# Altium PCB PCB22.PcbDoc (part 14 of 16)
Units mm, origin at the board's own origin, x right, y up, seen from the top; angles counter-clockwise.
Board outline 233.7 x 110.51 mm, 4 copper layers (Top Layer, Layer 1, Layer 2, Bottom Layer), stack 0.603 mm thick; 1249 components, 1355 nets, 4549 pads, 1315 vias.
Unrouted connection lines stored in the file: 1569.
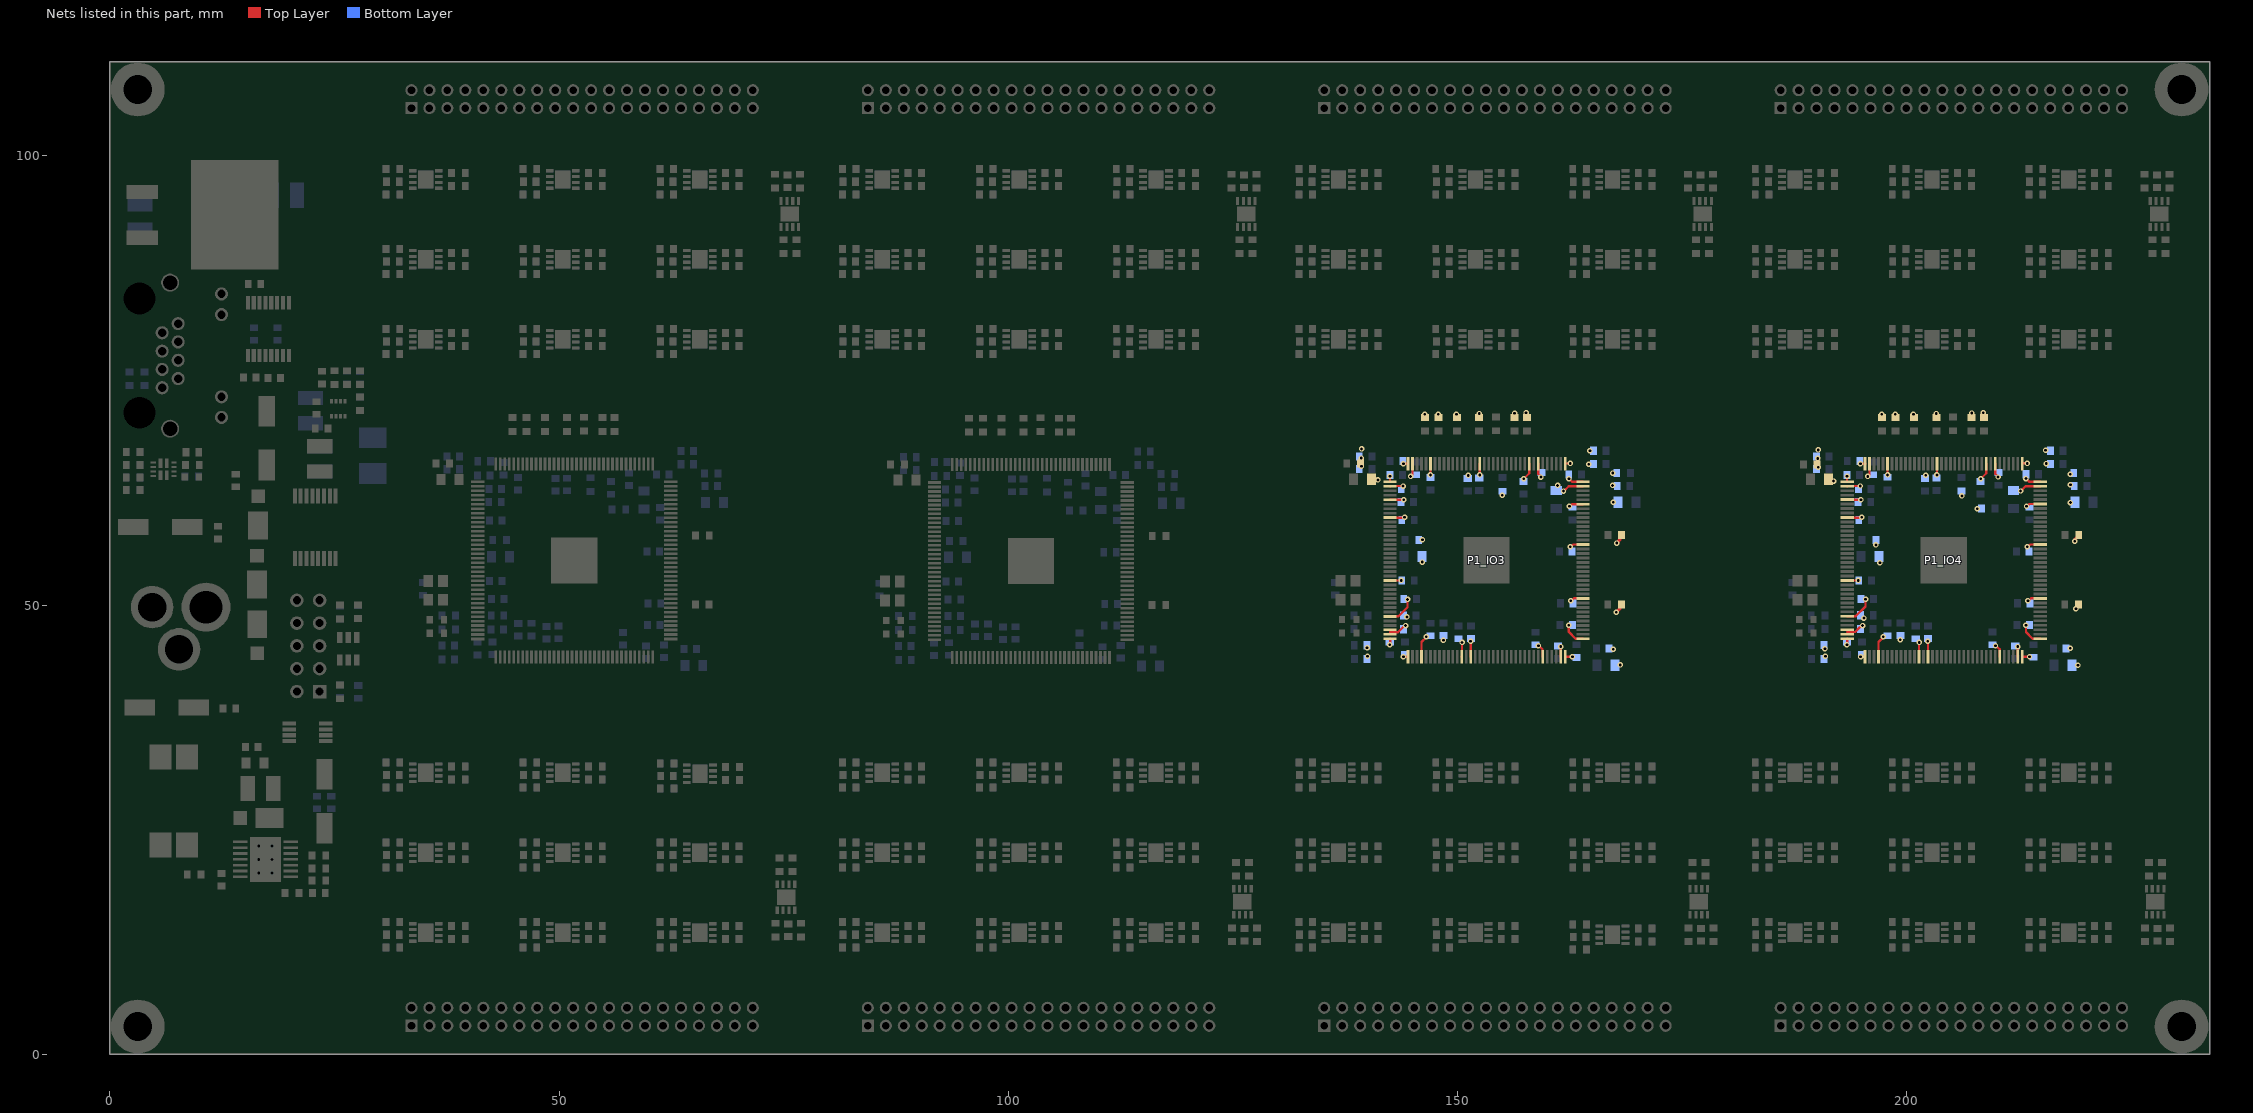
[diagram p16: the nets of this part, all layers, seen from the top]

## Via types
v1: diameter 0.61, hole 0.305, Top Layer to Bottom Layer, 1315 vias

## Nets (pads, with @x,y where several pads share a name; then routed paths per layer and width w, separated by ;. In a path a pad name is that pad's centre, name@x,y a point inside that pad or via, vN(x,y) a via of type N, cw(c..) or ccw(c..) an arc to the next point about the centre after c; other vN are vias at no path point) (continued)
VCC_FPGA_IO3: C2_POWER3.1 C3_POWER3.1 C4_POWER3.1 C5_POWER3.1 C6_POWER3.1 C7_POWER3.1 C9_POWER3.1 C10_POWER3.2 C11_POWER3.2 C12_POWER3.1 C13_POWER3.1 C15_POWER3.1 C16_POWER3.1 C17_POWER3.1 C23_POWER3.1 C24_POWER3.1 C45_POWER3.1 C46_POWER3.2 C47_POWER3.1 C48_POWER3.1 C49_POWER3.1 C51_POWER3.1 C52_POWER3.1 C53_POWER3.1 C54_POWER3.1 C55_POWER3.2 C56_POWER3.2 C57_POWER3.1 C58_POWER3.1 C59_POWER3.1 C60_POWER3.1 C61_POWER3.1 C62_POWER3.1 C64_POWER3.1 C65_POWER3.1 C66_POWER3.1 C67_POWER3.1 C68_POWER3.1 C69_POWER3.2 C70_POWER3.2 C71_POWER3.2 C72_POWER3.2 L1_POWER3.2 L3_POWER3.2 P1_IO3.1 P1_IO3.2 P1_IO3.5 P1_IO3.9 P1_IO3.23 P1_IO3.31 P1_IO3.34 P1_IO3.35 P1_IO3.36 P1_IO3.37 P1_IO3.40 P1_IO3.49 P1_IO3.51 P1_IO3.67 P1_IO3.71 P1_IO3.72 P1_IO3.73 P1_IO3.82 P1_IO3.94 P1_IO3.103 P1_IO3.107 P1_IO3.108 P1_IO3.109 P1_IO3.115 P1_IO3.117 P1_IO3.128 P1_IO3.139 P1_IO3.143 P1_IO3.144 R1_IO3.1 R2_IO3.1 R3_IO3.1 R4_IO3.1 R5_IO3.1 R6_IO3.1 R7_IO3.1 R14_IO3.2 R20_IO3.2 R31.1 | length 44.2
  Top Layer w0.254: v1(142.46,45.589) 142.493,45.623 P1_IO3.36@142.493,46.251 P1_IO3.36@142.496,46.254 ; v1(142.478,64.358) 142.478,63.766 P1_IO3.1@142.493,63.751 P1_IO3.1@142.499,63.745 ; 142.493,47.001 143.376,47.001 143.877,47.502 143.883,47.502 144.111,47.73 v1(144.207,47.73) ; P1_IO3.31@142.493,48.751 142.499,48.756 143.43,48.756 144.436,49.762 v1(144.436,50.642) ; P1_IO3.23@142.493,52.751 v1(143.737,52.751) ; P1_IO3.9@142.493,59.751 142.5,59.744 144.052,59.744 v1@144.121,59.813 ; P1_IO3.5@142.493,61.751 142.507,61.737 144.01,61.737 v1(144.024,61.723) ; P1_IO3.2@142.493,63.251 142.499,63.257 143.93,63.257 v1(143.936,63.263) ; v1(143.973,65.741) 143.975,65.739 P1_IO3.144@144.481,65.739 P1_IO3.144@144.487,65.745 ; v1(143.979,44.257) 144.037,44.257 144.042,44.263 P1_IO3.37@144.481,44.263 ; v1(144.774,64.33) 144.778,64.33 144.981,64.533 P1_IO3.143@144.981,65.739 ; P1_IO3.40@145.981,44.263 145.981,45.897 146.52,46.436 v1(146.52,46.491) ; v1(146.981,64.496) P1_IO3.139@146.981,65.739 ; P1_IO3.49@150.481,44.263 150.494,44.275 150.494,45.838 v1(150.507,45.851) ; v1(151.453,45.987) 151.478,45.962 151.478,44.267 P1_IO3.51@151.481,44.263 ; v1(152.481,64.496) P1_IO3.128@152.481,65.739 ; v1(157.363,64.065) 157.981,64.683 P1_IO3.117@157.981,65.739 ; P1_IO3.115@158.981,65.739 158.981,64.638 159.281,64.338 v1(159.281,64.266) ; v1(159.002,45.483) 159.08,45.483 159.458,45.104 159.458,44.286 P1_IO3.67@159.481,44.263 ; v1@161.505,45.343 161.48,45.318 P1_IO3.71@161.48,44.264 ; v1@161.835,62.716 162.37,63.251 P1_IO3.107@163.969,63.251 ; P1_IO3.72@161.981,44.263 161.982,44.264 v1(162.786,44.264) ; P1_IO3.109@161.981,65.739 162.024,65.781 v1(162.531,65.781) ; v1(162.391,47.756) 162.391,47.011 163.128,46.274 163.946,46.274 P1_IO3.73@163.969,46.251 ; v1(162.393,64.087) 162.729,63.751 P1_IO3.108@163.969,63.751 ; v1(162.451,61.013) 162.547,61.013 162.785,61.251 P1_IO3.103@163.969,61.251 ; v1(162.547,56.514) 162.63,56.514 162.874,56.757 163.963,56.757 P1_IO3.94@163.969,56.751 ; v1(162.609,50.505) 162.706,50.505 162.974,50.773 163.947,50.773 P1_IO3.82@163.969,50.751 ; P1_IO3.71@161.48,44.264 P1_IO3.71@161.481,44.263
  Top Layer w0.381: v1(167.657,49.221) 168.045,49.609 168.045,49.902 R20_IO3.2@168.236,50.092 ; v1(167.72,56.919) 168.071,57.27 168.071,57.598 R14_IO3.2@168.261,57.789
  other v1: 168.106,43.352 139.976,44.33 167.323,45.097 139.93,45.275 161.479,45.393 148.426,46.108 144.365,48.694 146.062,54.803 146.087,57.287 144.106,59.795 167.324,61.458 154.982,62.237 161.792,62.706 161.131,63.335 167.259,63.33 141.138,63.946 151.182,64.447 167.271,64.701 139.299,65.463 164.591,65.702 139.267,66.383 164.733,67.19 139.314,67.393 146.341,71.251 147.84,71.251 149.872,71.251 152.412,71.327 156.349,71.378 157.626,71.417
VCC_FPGA_IO4: C2_POWER4.1 C3_POWER4.1 C4_POWER4.1 C5_POWER4.1 C6_POWER4.1 C7_POWER4.1 C9_POWER4.1 C10_POWER4.2 C11_POWER4.2 C12_POWER4.1 C13_POWER4.1 C15_POWER4.1 C16_POWER4.1 C17_POWER4.1 C23_POWER4.1 C24_POWER4.1 C45_POWER4.1 C46_POWER4.2 C47_POWER4.1 C48_POWER4.1 C49_POWER4.1 C51_POWER4.1 C52_POWER4.1 C53_POWER4.1 C54_POWER4.1 C55_POWER4.2 C56_POWER4.2 C57_POWER4.1 C58_POWER4.1 C59_POWER4.1 C60_POWER4.1 C61_POWER4.1 C62_POWER4.1 C64_POWER4.1 C65_POWER4.1 C66_POWER4.1 C67_POWER4.1 C68_POWER4.1 C69_POWER4.2 C70_POWER4.2 C71_POWER4.2 C72_POWER4.2 L1_POWER4.2 L3_POWER4.2 P1_IO4.1 P1_IO4.2 P1_IO4.5 P1_IO4.9 P1_IO4.23 P1_IO4.31 P1_IO4.34 P1_IO4.35 P1_IO4.36 P1_IO4.37 P1_IO4.40 P1_IO4.49 P1_IO4.51 P1_IO4.67 P1_IO4.71 P1_IO4.72 P1_IO4.73 P1_IO4.82 P1_IO4.94 P1_IO4.103 P1_IO4.107 P1_IO4.108 P1_IO4.109 P1_IO4.115 P1_IO4.117 P1_IO4.128 P1_IO4.139 P1_IO4.143 P1_IO4.144 R1_IO4.1 R2_IO4.1 R3_IO4.1 R4_IO4.1 R5_IO4.1 R6_IO4.1 R7_IO4.1 R14_IO4.2 R20_IO4.2 R33.1 R34.1 | length 43.1
  Top Layer w0.254: v1(193.336,45.593) 193.369,45.627 P1_IO4.36@193.369,46.255 P1_IO4.36@193.373,46.258 ; v1(193.354,64.362) 193.354,63.77 P1_IO4.1@193.369,63.755 P1_IO4.1@193.376,63.748 ; 193.369,47.005 194.253,47.005 194.753,47.505 194.759,47.505 194.987,47.734 v1(195.084,47.734) ; P1_IO4.31@193.369,48.755 193.375,48.76 194.306,48.76 195.414,49.868 v1(195.414,50.654) ; P1_IO4.23@193.369,52.755 v1(194.613,52.755) ; P1_IO4.9@193.369,59.755 193.376,59.748 194.928,59.748 v1@194.997,59.817 ; P1_IO4.5@193.369,61.755 193.383,61.741 194.886,61.741 v1(194.9,61.727) ; P1_IO4.2@193.369,63.255 193.376,63.261 194.806,63.261 v1(194.812,63.267) ; v1(194.849,65.745) 194.852,65.743 P1_IO4.144@195.357,65.743 P1_IO4.144@195.364,65.749 ; v1(194.855,44.261) 194.913,44.261 194.918,44.267 P1_IO4.37@195.357,44.267 ; v1(195.651,64.334) 195.654,64.334 195.857,64.537 P1_IO4.143@195.857,65.743 ; P1_IO4.40@196.857,44.267 196.857,45.901 197.397,46.44 v1(197.397,46.494) ; v1(197.857,64.499) P1_IO4.139@197.857,65.743 ; P1_IO4.49@201.357,44.267 201.37,44.279 201.37,45.842 v1(201.383,45.854) ; v1(202.329,45.991) 202.354,45.966 202.354,44.27 P1_IO4.51@202.357,44.267 ; v1(203.357,64.499) P1_IO4.128@203.357,65.743 ; v1(208.24,64.069) 208.857,64.687 P1_IO4.117@208.857,65.743 ; P1_IO4.115@209.857,65.743 209.857,64.642 210.158,64.342 v1(210.158,64.27) ; v1(209.878,45.487) 209.956,45.487 210.334,45.108 210.334,44.29 P1_IO4.67@210.357,44.267 ; v1@212.381,45.346 212.357,45.322 P1_IO4.71@212.357,44.267 ; v1@212.711,62.72 213.246,63.255 P1_IO4.107@214.845,63.255 ; P1_IO4.72@212.857,44.267 P1_IO4.72@212.857,44.267 v1(213.662,44.268) ; P1_IO4.109@212.857,65.743 212.9,65.785 v1(213.407,65.785) ; v1(213.267,47.76) 213.267,47.014 214.004,46.278 214.822,46.278 P1_IO4.73@214.845,46.255 ; v1(213.27,64.09) 213.605,63.755 P1_IO4.108@214.845,63.755 ; v1(213.327,61.017) 213.423,61.017 213.661,61.255 P1_IO4.103@214.845,61.255 ; v1(213.424,56.518) 213.507,56.518 213.75,56.761 214.839,56.761 P1_IO4.94@214.845,56.755 ; v1(213.486,50.508) 213.582,50.508 213.85,50.777 214.823,50.777 P1_IO4.82@214.845,50.755 ; P1_IO4.71@212.357,44.267 P1_IO4.71@212.357,44.267
  Top Layer w0.381: v1(218.706,57.11) 218.749,57.154 218.749,57.341 219.137,57.729 R14_IO4.2@219.137,57.792
  Bottom Layer w0.254: v1(209.878,45.487) C66_POWER4.1@209.922,45.487 ; v1@210.158,64.194 v1(210.158,64.27)
  other v1: 219.048,43.329 190.943,44.33 190.893,45.143 218.198,45.219 212.356,45.397 199.275,46.159 195.236,48.572 218.835,49.604 197.014,54.719 196.568,56.707 194.982,59.799 207.834,60.739 218.223,61.425 206.144,62.163 212.668,62.71 218.223,63.406 191.858,63.812 202.119,64.473 218.188,64.574 190.14,65.35 215.531,65.768 190.08,66.33 215.454,67.241 190.155,67.28 197.217,71.254 198.716,71.254 200.748,71.254 203.288,71.331 207.225,71.381 208.502,71.421